# Altium PCB V1.PcbDoc (part 1 of 2) (continued)
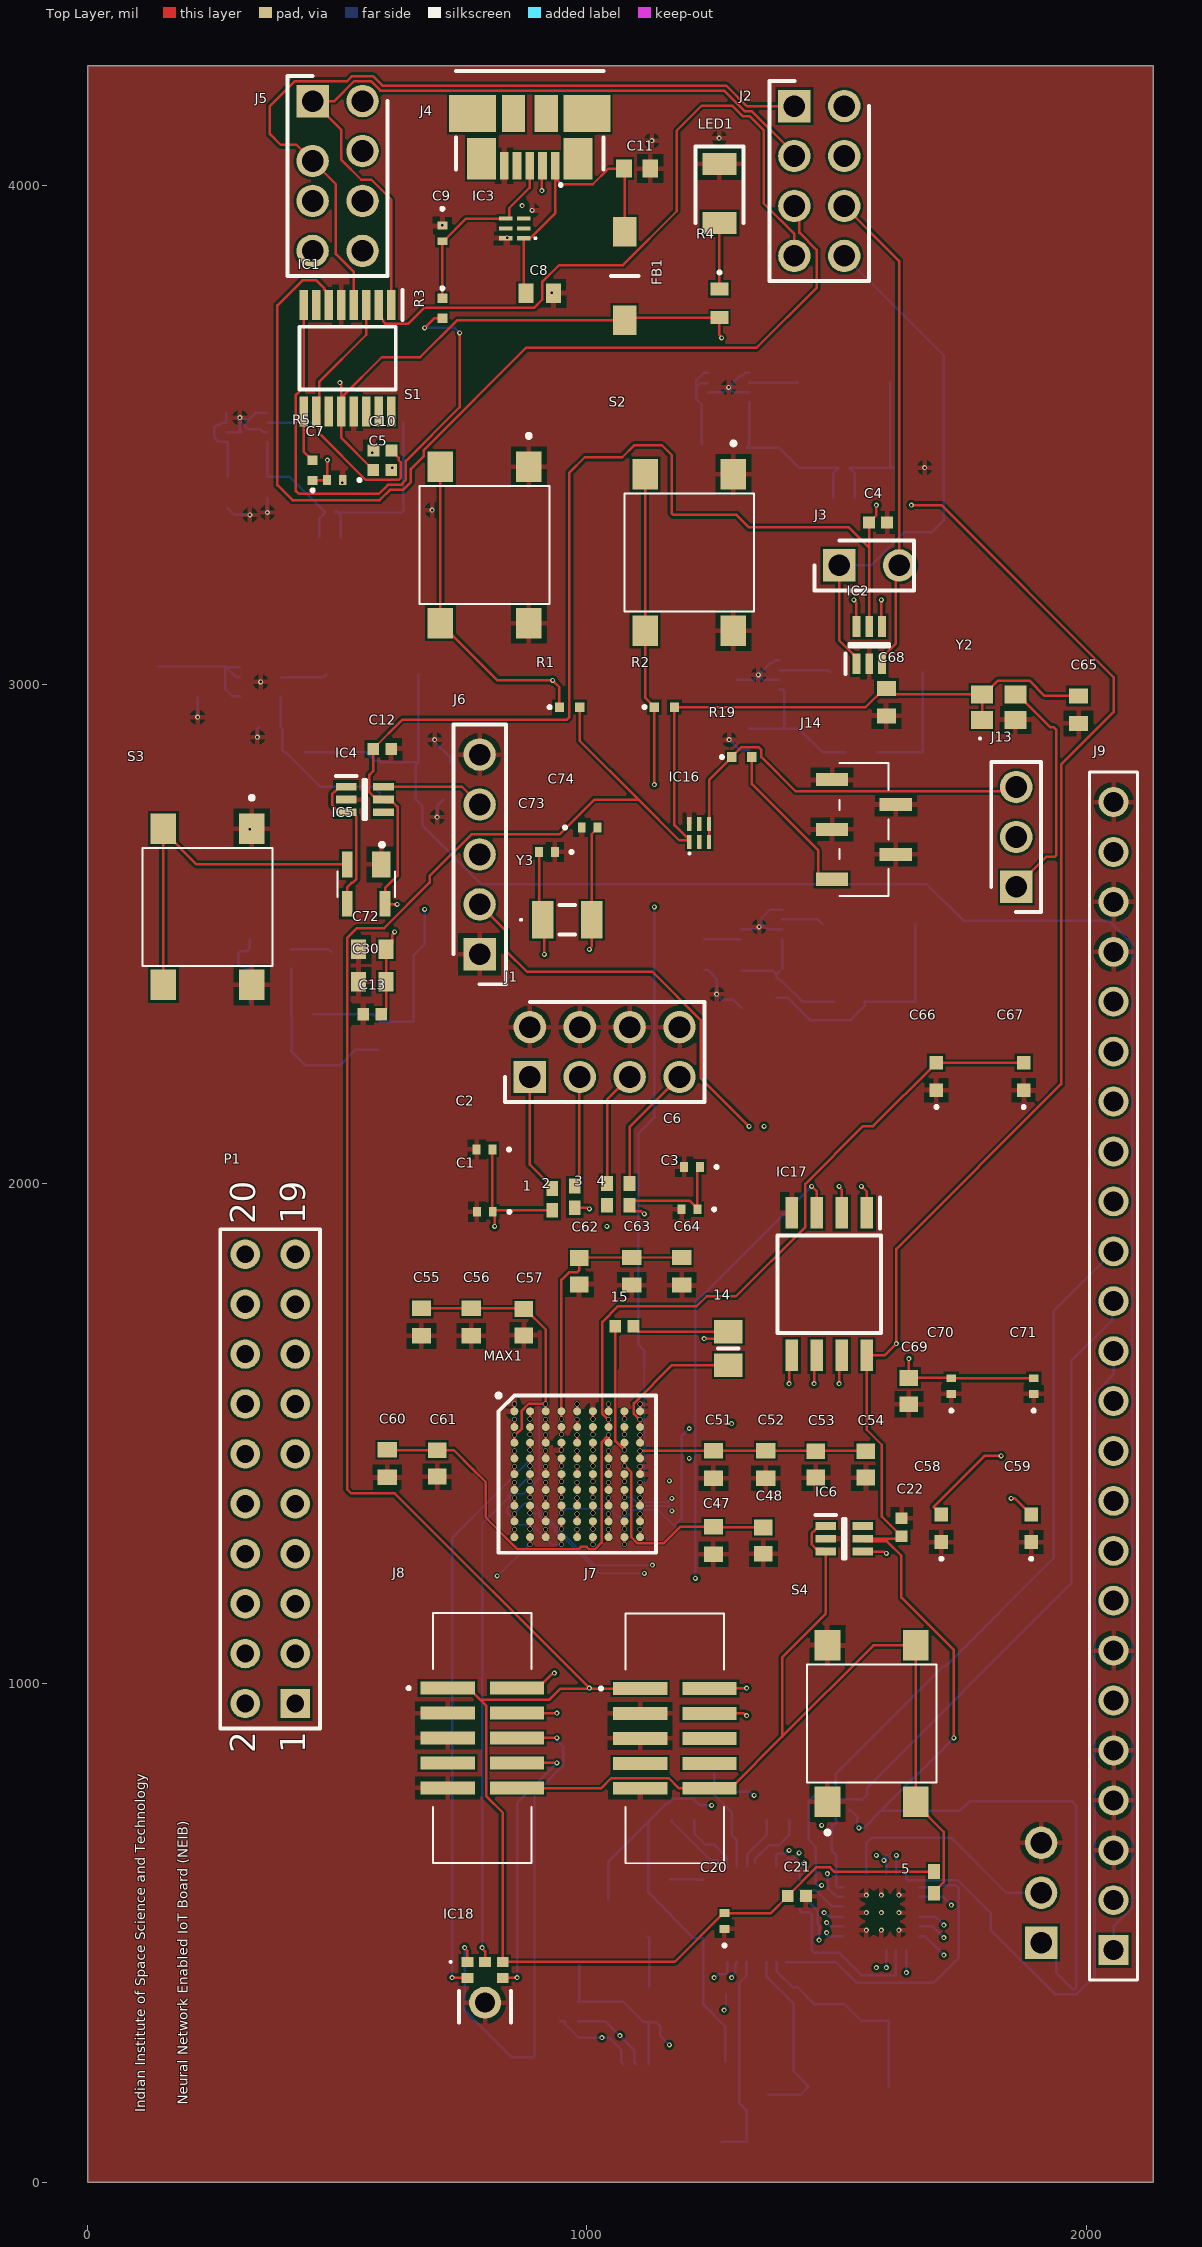
[diagram p0: Top Layer view]
## Part data (continued)
IC7 IC8 IC9 IC10 IC13 IC14: "Integrated Circuit", Manufacturer_Name="Texas Instruments", Mouser Part Number=595-TPS62060DSGR, Arrow Part Number=TPS62060DSGR, Arrow Price/Stock=https://www.arrow.com/en/products/tps62060dsgr/texas-instruments, Datasheet Link=http://www.ti.com/lit/gpn/TPS62060, Height=0.8mm, Manufacturer_Part_Number=TPS62060DSGR, Mouser Price/Stock=https://www.mouser.co.uk/ProductDetail/Texas-Instruments/TPS62060DSGR?qs=%2Fqzd9s%252BcLd7NphHetRHQZQ%3D%3D
IC11: "Integrated Circuit", Manufacturer_Name="Maxim Integrated", Mouser Part Number=700-MAX4948ETG, Datasheet Link=https://datasheets.maximintegrated.com/en/ds/MAX4947-MAX4948.pdf, Height=0.8mm, Manufacturer_Part_Number=MAX4948ETG+, Mouser Price/Stock=https://www.mouser.co.uk/ProductDetail/Maxim-Integrated/MAX4948ETG%2b/?qs=LHmEVA8xxfa3Nwt5cul%252BwA%3D%3D
IC12: "Integrated Circuit", Manufacturer_Name="FTDI Chip", Mouser Part Number=895-FT4222HQ-D-R, Arrow Part Number=FT4222HQ-D-R, Arrow Price/Stock=https://www.arrow.com/en/products/ft4222hq-d-r/ftdi-chip?region=nac, Datasheet Link=https://www.ftdichip.com/Support/Documents/DataSheets/ICs/DS_FT4222H.pdf, Height=0.9mm, Manufacturer_Part_Number=FT4222HQ-D-R, Mouser Price/Stock=https://www.mouser.co.uk/ProductDetail/FTDI/FT4222HQ-D-R?qs=F5EMLAvA7ICA8wBdrr3fuQ%3D%3D
IC15: "Integrated Circuit", Manufacturer_Name="Maxim Integrated", Mouser Part Number=700-MAX13202EALTT, Datasheet Link=https://pdfserv.maximintegrated.com/en/ds/MAX13202E-MAX13208E.pdf, Height=0.8mm, Manufacturer_Part_Number=MAX13202EALT+T, Mouser Price/Stock=https://www.mouser.co.uk/ProductDetail/Maxim-Integrated/MAX13202EALT%2bT?qs=8wHch9UpSvYWK1vZ7ylxSw%3D%3D
IC17: "Integrated Circuit", Manufacturer_Name="Integrated Silicon Solution Inc.", Mouser Part Number=870-IS25LP128-JBLE, Arrow Part Number=IS25LP128-JBLE, Arrow Price/Stock=https://www.arrow.com/en/products/is25lp128-jble/integrated-silicon-solution-inc, Datasheet Link=https://datasheet.datasheetarchive.com/originals/distributors/DKDS-13/254838.pdf, Height=2.16mm, Manufacturer_Part_Number=IS25LP128-JBLE, Mouser Price/Stock=https://www.mouser.co.uk/ProductDetail/ISSI/IS25LP128-JBLE?qs=rnuWwpjhhVunvfx8GxnhmA%3D%3D
IC18: "Integrated Circuit", Manufacturer_Name=Knowles, Mouser Part Number=721-SPH0645LM4H-1-8, Datasheet Link=https://www.knowles.com/docs/default-source/default-document-library/sph0645lm4h-1-datasheet.pdf?Status=Master&sfvrsn=751076b1_2, Height=1.08mm, Manufacturer_Part_Number=SPH0645LM4H-1-8, Mouser Price/Stock=https://www.mouser.co.uk/ProductDetail/Knowles/SPH0645LM4H-1-8?qs=TuK3vfAjtkXP9L009Fh60A%3D%3D
J1 J2 J3 J5 J6 J12 J13: "Connector", Manufacturer_Name=Sullins
  J1 J2 J5: Datasheet Link=https://drawings-pdf.s3.amazonaws.com/C10419.pdf, Height=8.38mm, Manufacturer_Part_Number=PEC04DAAN
  J3: Datasheet Link=https://s3.amazonaws.com/catalogspreads-pdf/PAGE112-113%20.100%20MALE%20HDR.pdf, Height=8.38mm, Manufacturer_Part_Number=PEC02SAAN
  J6: Datasheet Link=https://s3.amazonaws.com/catalogspreads-pdf/PAGE112-113%20.100%20MALE%20HDR.pdf, Height=8.58mm, Manufacturer_Part_Number=PEC05SAAN
  J12 J13: Datasheet Link=https://s3.amazonaws.com/catalogspreads-pdf/PAGE112-113%20.100%20MALE%20HDR.pdf, Height=8.38mm, Manufacturer_Part_Number=PEC03SAAN
J4 J11: "Connector", Manufacturer_Name=Molex, Mouser Part Number=538-47346-0001, Datasheet Link=http://www.molex.com/pdm_docs/sd/473460001_sd.pdf, Manufacturer_Part_Number=47346-0001, Mouser Price/Stock=https://www.mouser.co.uk/ProductDetail/Molex/47346-0001?qs=c2CV6XM0DweJBWaSeyWeCw%3D%3D
J7 J8: "Connector", Manufacturer_Name="CNC Tech", Arrow Part Number=3220-10-0300-00-TR, Arrow Price/Stock=https://www.arrow.com/en/products/3220-10-0300-00-tr/cnc-tech-llc?region=nac, Datasheet Link=http://www.cnctech.us/pdfs/3220-XX-0300-00-TR.pdf, Height=5.55mm, Manufacturer_Part_Number=3220-10-0300-00-TR
J9: "Connector", Manufacturer_Name=SAMTEC, Mouser Part Number=200-SSW12401TS, Datasheet Link=http://suddendocs.samtec.com/prints/ssw-1xx-xx-xxx-x-xx-xxx-xx-mkt.pdf, Manufacturer_Part_Number=SSW-124-01-T-S
J14: "Connector", Manufacturer_Name=Harwin, Mouser Part Number=855-M52-5050545, Datasheet Link=https://cdn.harwin.com/pdfs/M52-505.pdf, Height=5.7mm, Manufacturer_Part_Number=M52-5050545, Mouser Price/Stock=https://www.mouser.co.uk/ProductDetail/Harwin/M52-5050545?qs=%252Bk6%2F5FB6qrk5mVrIdNiYzQ%3D%3D
L1 L2 L3 L4 L5 L6: "Inductor", Manufacturer_Name=Vishay, Mouser Part Number=70-IHLP2020CZR1R0M8A, Datasheet Link=https://www.vishay.com/docs/34563/ihlp-2020cz-8a.pdf, Height=3mm, Manufacturer_Part_Number=IHLP2020CZER1R0M8A, Mouser Price/Stock=https://www.mouser.co.uk/ProductDetail/Vishay-Dale/IHLP2020CZER1R0M8A?qs=DRkmTr78QAQbvJic74K0Vg%3D%3D
LED1: "LED", Manufacturer_Name="Avago Technologies", Mouser Part Number=630-HSMR-C150, Datasheet Link=https://componentsearchengine.com/Datasheets/2/HSMR-C150.pdf, Height=1.2mm, Manufacturer_Part_Number=HSMR-C150, Mouser Price/Stock=https://www.mouser.co.uk/ProductDetail/Broadcom-Avago/HSMR-C150?qs=YDL0qNrpDT5KBl5KNuuRTw%3D%3D
MAX1: "Integrated Circuit", Manufacturer_Name="Maxim Integrated", Mouser Part Number=700-MAX78000EXG+, Datasheet Link=https://pdfserv.maximintegrated.com/en/ds/MAX78000.pdf, Height=1.3mm, Manufacturer_Part_Number=MAX78000EXG+, Mouser Price/Stock=https://www.mouser.co.uk/ProductDetail/Maxim-Integrated/MAX78000EXG%2b?qs=yqaQSyyJnNigS5t%2FKz0nhQ%3D%3D
P1: "Header, 10-Pin, Dual row", LatestRevisionDate=17-Jul-2002, LatestRevisionNote="Re-released for DXP Platform.", Publisher="Altium Limited"
R1 R2: "Resistor", Manufacturer_Name=Panasonic, Mouser Part Number=667-ERJ-2RKF4992X, Arrow Part Number=ERJ-2RKF4992X, Arrow Price/Stock=https://www.arrow.com/en/products/erj-2rkf4992x/panasonic, Datasheet Link=http://industrial.panasonic.com/cdbs/www-data/pdf/RDA0000/AOA0000C304.pdf, Height=0.4mm, Manufacturer_Part_Number=ERJ-2RKF4992X, Mouser Price/Stock=https://www.mouser.co.uk/ProductDetail/Panasonic/ERJ-2RKF4992X/?qs=1iN9QGIZ5R%252Bb2pvOGnid7w%3D%3D
R3 R5: "Resistor", Manufacturer_Name=Panasonic, Mouser Part Number=667-ERJ-2RKF27R0X, Arrow Part Number=ERJ-2RKF27R0X, Arrow Price/Stock=https://www.arrow.com/en/products/erj-2rkf27r0x/panasonic, Datasheet Link=http://industrial.panasonic.com/cdbs/www-data/pdf/RDA0000/AOA0000C304.pdf, Height=0.4mm, Manufacturer_Part_Number=ERJ-2RKF27R0X, Mouser Price/Stock=https://www.mouser.co.uk/ProductDetail/Panasonic/ERJ-2RKF27R0X?qs=YMBIwoNQYdXRmpDlurxRVg%3D%3D
R4: "Resistor", Manufacturer_Name=Panasonic, Datasheet Link=https://industrial.panasonic.com/cdbs/www-data/pdf/RDA0000/AOA0000C304.pdf, Height=0.55mm, Manufacturer_Part_Number=ERJ3EKF2701V
R6 R7: "Resistor", Manufacturer_Name="YAGEO (PHYCOMP)", Mouser Part Number=603-RT0805BRD07111KL, Arrow Part Number=RT0805BRD07111KL, Arrow Price/Stock=https://www.arrow.com/en/products/rt0805brd07111kl/yageo, Datasheet Link=https://componentsearchengine.com/Datasheets/1/RT0805BRD07111KL.pdf, Height=0.6mm, Manufacturer_Part_Number=RT0805BRD07111KL, Mouser Price/Stock=https://www.mouser.co.uk/ProductDetail/Yageo/RT0805BRD07111KL?qs=bQfrgN9vNvxW8OaJGLTFCQ%3D%3D
R8 R9: "Resistor", Manufacturer_Name=Vishay, Mouser Part Number=71-CRCW0402-499K-E3, Datasheet Link=http://www.vishay.com/docs/20035/dcrcwe3.pdf, Height=0.4mm, Manufacturer_Part_Number=CRCW0402499KFKED, Mouser Price/Stock=https://www.mouser.co.uk/ProductDetail/Vishay-Dale/CRCW0402499KFKED?qs=hAuyw6LW%252BLiJEa%252B3vtZI3Q%3D%3D
R10: "Resistor", Manufacturer_Name=Vishay, Mouser Part Number=71-CRCW0402-102K-E3, Arrow Part Number=CRCW0402102KFKED, Arrow Price/Stock=https://www.arrow.com/en/products/crcw0402102kfked/vishay, Datasheet Link=http://www.vishay.com/docs/20035/dcrcwe3.pdf, Height=0.4mm, Manufacturer_Part_Number=CRCW0402102KFKED, Mouser Price/Stock=https://www.mouser.co.uk/ProductDetail/Vishay-Dale/CRCW0402102KFKED?qs=rlE3Te1NifwphdA8fQQlsA%3D%3D
R11 R15 R16 R17: "Resistor", Manufacturer_Name=Vishay, Mouser Part Number=71-CRCW0402-100K-E3, Arrow Part Number=CRCW0402100KFKED, Arrow Price/Stock=https://www.arrow.com/en/products/crcw0402100kfked/vishay, Datasheet Link=http://www.vishay.com/docs/20035/dcrcwe3.pdf, Height=0.4mm, Manufacturer_Part_Number=CRCW0402100KFKED, Mouser Price/Stock=https://www.mouser.co.uk/ProductDetail/Vishay-Dale/CRCW0402100KFKED?qs=OlqPY1CiralZGKRwQ4Glcg%3D%3D
R12: "Resistor", Manufacturer_Name=Vishay, Mouser Part Number=71-CRCW0402-200K-E3, Arrow Part Number=CRCW0402200KFKED, Arrow Price/Stock=https://www.arrow.com/en/products/crcw0402200kfked/vishay, Datasheet Link=http://www.vishay.com/docs/20035/dcrcwe3.pdf, Height=0.4mm, Manufacturer_Part_Number=CRCW0402200KFKED, Mouser Price/Stock=https://www.mouser.com/Search/Refine.aspx?Keyword=71-CRCW0402-200K-E3
R13: "Resistor", Manufacturer_Name=Vishay, Mouser Part Number=71-CRCW0402-374K-E3, Arrow Part Number=CRCW0402374KFKED, Arrow Price/Stock=https://www.arrow.com/en/products/crcw0402374kfked/vishay, Datasheet Link=http://www.vishay.com/docs/20035/dcrcwe3.pdf, Height=0.4mm, Manufacturer_Part_Number=CRCW0402374KFKED, Mouser Price/Stock=https://www.mouser.co.uk/ProductDetail/Vishay-Dale/CRCW0402374KFKED?qs=1XGAtBqYNz57mwAP8KKAqw%3D%3D
R14: "Resistor", Manufacturer_Name="YAGEO (PHYCOMP)", Mouser Part Number=603-RC0603FR-07120KL, Arrow Part Number=RC0603FR-07120KL, Arrow Price/Stock=https://www.arrow.com/en/products/rc0603fr-07120kl/yageo?region=europe, Datasheet Link=https://datasheet.datasheetarchive.com/originals/distributors/Datasheets_SAMA/902f9e387b938f871d31120f5fc1d65e.pdf, Height=0.55mm, Manufacturer_Part_Number=RC0603FR-07120KL, Mouser Price/Stock=https://www.mouser.co.uk/ProductDetail/YAGEO/RC0603FR-07120KL?qs=IuGqVx9wL0JtpsOJLI%252BszA%3D%3D
R18: "Resistor", Manufacturer_Name=Panasonic, Mouser Part Number=667-ERJ-2RKF1004X, Arrow Part Number=ERJ-2RKF1004X, Arrow Price/Stock=https://www.arrow.com/en/products/erj-2rkf1004x/panasonic, Datasheet Link=http://industrial.panasonic.com/cdbs/www-data/pdf/RDA0000/AOA0000C304.pdf, Height=0.4mm, Manufacturer_Part_Number=ERJ-2RKF1004X, Mouser Price/Stock=https://www.mouser.co.uk/ProductDetail/Panasonic/ERJ-2RKF1004X?qs=H7k1u0Mp9JTG%252BclS6LVdqw%3D%3D
R19: "Resistor", Manufacturer_Name=Panasonic, Mouser Part Number=667-ERJ-2RKF33R2X, Datasheet Link=http://industrial.panasonic.com/cdbs/www-data/pdf/RDA0000/AOA0000C304.pdf, Height=0.4mm, Manufacturer_Part_Number=ERJ-2RKF33R2X, Mouser Price/Stock=https://www.mouser.com/Search/Refine.aspx?Keyword=667-ERJ-2RKF33R2X
S1 S2 S3 S4: "Switch", Manufacturer_Name="Omron Electronics", Mouser Part Number=653-B3S-1000P, Arrow Part Number=B3S-1000P, Arrow Price/Stock=https://www.arrow.com/en/products/b3s1000p/omron?region=nac, Datasheet Link=https://omronfs.omron.com/en_US/ecb/products/pdf/en-b3s.pdf, Height=4.7mm, Manufacturer_Part_Number=B3S-1000P, Mouser Price/Stock=https://www.mouser.co.uk/ProductDetail/Omron-Electronics/B3S-1000P?qs=VO24nqdQNUCU2XaZiLnzsQ%3D%3D
Y1: "Crystal or Oscillator", Manufacturer_Name=ABRACON, Mouser Part Number=815-ABM3-12-D2Y-T, Arrow Part Number=ABM3-12.000MHZ-D2Y-T, Arrow Price/Stock=https://www.arrow.com/en/products/abm3-12.000mhz-d2y-t/abracon, Datasheet Link=https://abracon.com/Resonators/abm3.pdf, Height=1mm, Manufacturer_Part_Number=ABM3-12.000MHZ-D2Y-T, Mouser Price/Stock=https://www.mouser.co.uk/ProductDetail/ABRACON/ABM3-12000MHZ-D2Y-T?qs=ihRgKfnEsN4a%252Bhdo6LkcSg%3D%3D
Y2: "Crystal or Oscillator", Arrow Part Number="SG-210STF 12.2880ML3", Manufacturer_Name="Epson Timing", Mouser Part Number=732-SG210STF12.288L3, Arrow Price/Stock=https://www.arrow.com/en/products/sg-210stf12.2880ml3/epson-electronics-america, Datasheet Link=https://support.epson.biz/td/api/doc_check.php?dl=brief_SG-210STF&lang=en, Height=0.9mm, Manufacturer_Part_Number="SG-210STF 12.2880ML3", Mouser Price/Stock=https://www.mouser.co.uk/ProductDetail/Epson-Timing/SG-210STF-122880ML3?qs=6J2kD0vu%2F2VMSmlKNtfCoQ%3D%3D
Y3: "Crystal or Oscillator", Manufacturer_Name=ABRACON, Mouser Part Number=815-ABS07-32.768K6T, Arrow Part Number=ABS07-32.768KHZ-6-T, Arrow Price/Stock=https://www.arrow.com/en/products/abs07-32.768khz-6-t/abracon?region=nac, Datasheet Link=https://abracon.com/Resonators/ABS07-LR.pdf, Height=0.9mm, Manufacturer_Part_Number=ABS07-32.768KHZ-6-T, Mouser Price/Stock=https://www.mouser.co.uk/ProductDetail/ABRACON/ABS07-32768KHZ-6-T?qs=Pyu0ZBy%2FIJYqrd93qMRCiw%3D%3D

## Via types
v1: diameter 10, hole 5, Top Layer to Bottom Layer, 122 vias
v2: diameter 10, hole 8, Top Layer to Bottom Layer, 81 vias

## Nets (pads, with @x,y where several pads share a name; then routed paths per layer and width w, separated by ;. In a path a pad name is that pad's centre, name@x,y a point inside that pad or via, vN(x,y) a via of type N, cw(c..) or ccw(c..) an arc to the next point about the centre after c; other vN are vias at no path point)
GND: 7.2 8.2 12.1 13.1 C1.2 C2.2 C3.2 C4.2 C5.2 C6.2 C7.1 C8.1 C9.1 C10.2 C11.1 C12.2 C13.2 C14.1 C15.1 C16.2 C17.2 C20.1 C21.2 C22.2 C23.1 C24.1 C25.2 C26.2 C27.1 C30.1 C31.1 C32.1 C33.2 C34.2 C35.1 C36.1 C37.2 C38.2 C41.1 C42.1 C43.1 C44.1 C45.2 C46.2 C47.1 C48.1 C49.2 C50.1 C51.1 C52.1 C53.1 C54.1 C55.1 C56.1 C57.1 C58.1 C59.1 C60.1 C61.1 C62.1 C63.1 C64.1 C65.1 C66.1 C67.1 C68.1 C69.1 C70.1 C71.1 C72.1 C73.1 C74.1 IC1.5 IC1.13 IC2.2 IC3.6 IC4.2 IC5.1 IC6.2 IC7.1 IC7.3 IC7.6 IC7.9 IC8.1 IC8.3 IC8.6 IC8.9 IC9.1 IC9.3 IC9.6 IC9.9 IC10.1 IC10.3 IC10.6 IC10.9 IC11.5 IC11.6 IC11.21 IC11.25 IC12.6 IC12.20 IC12.24 IC12.27 IC12.28 IC13.1 IC13.3 IC13.6 IC13.9 IC14.1 IC14.3 IC14.6 IC14.9 IC15.6 IC16.6 IC17.4 IC18.3 J1.2 J1.4 J1.6 J1.8 J4.5 J6.1 J6.5 J7.3 J7.5 J7.9 J8.3 J8.5 J8.9 J9.3 J9.4 J9.5 J9.7 J9.21 J9.22 J9.24 J11.5 J12.3 J14.2 J14.3 J14.4 J14.5 LED1.1 MAX1.A1 MAX1.A6 MAX1.A9 MAX1.B6 MAX1.C4 MAX1.C5 MAX1.E9 MAX1.J6 R6.2 R7.2 R10.2 R11.2 R14.2 R15.2 S1.1 S1.2 S2.1 S2.2 S3.1 S3.2 S4.1 S4.2 Y2.2 | length 1170.5
  Top Layer w5: MAX1.A1@854.53,1544.5 v2(854.53,1559.57) ; v2(949.02,1466.44) MAX1.C4@949.02,1481.51 ; MAX1.C5@980.51,1481.51 v2(980.51,1496.58) ; v2(1012.01,1277.46) MAX1.J6@1012.01,1292.54 ; v2(1012.01,1497.94) MAX1.B6@1012.01,1513.01 ; v2(1012.01,1529.43) MAX1.A6@1012.01,1544.5 ; MAX1.E9@1106.5,1418.52 v2(1106.5,1433.59) ; MAX1.A9@1106.5,1544.5 v2(1106.5,1559.57)
  Bottom Layer w5: v1(220,2935) C23.1@220,2973.5 ; IC13.6@277.32,3505.32 308.82,3505.32 305,3509.13 v1(305,3535) ; C35.1@280,3353.5 293.5,3340 v1(325,3340) ; v1(340,2895) 340,2911.65 R10.2@343.35,2915 ; v1(360,3345) R15.2@360,3373.35 ; IC13.3@360,3505.32 352.13,3505.32 345.85,3511.59 322.22,3511.59 305,3528.82 v1(305,3535) ; IC13.1@360,3544.69 335.85,3544.69 318.66,3527.5 311.16,3535 v1(305,3535) ; v1(695,2890) 695.96,2889.04 695.96,2884.4 726.5,2853.86 C26.2@726.5,2845 ; v1(700,2735) 700,2757.44 C27.1@712.56,2770 ; C15.1@1235,2428.5 1242.42,2428.5 1260,2410.93 v1(1260,2380) 1271.2,2368.8 1293.8,2368.8 R7.2@1310,2352.6 ; IC14.6@1242.32,3585.63 1273.82,3585.63 v1(1283.66,3595.47) ; v1(1285,2890) 1306.65,2868.35 R11.2@1325,2868.35 ; IC9.6@1302.32,3009.69 1333.82,3009.69 v1(1343.66,3019.53) ; IC8.6@1308.66,2510.16 1340.16,2510.16 IC8.9@1350,2520 ; IC14.3@1325,3585.63 1293.5,3585.63 v1(1283.66,3595.47) ; IC14.1@1325,3625 1317.13,3625 1310.85,3618.72 1306.91,3618.72 v1(1283.66,3595.47) ; IC9.3@1385,3009.69 1353.5,3009.69 v1(1343.66,3019.53) ; IC9.1@1385,3049.06 1377.13,3049.06 1370.85,3042.78 1366.91,3042.78 v1(1343.66,3019.53) ; IC8.3@1391.34,2510.16 1359.84,2510.16 IC8.9@1350,2520 ; IC8.1@1391.34,2549.53 1367.19,2549.53 1350,2532.34 IC8.9@1350,2520
  other v1: 1560,505 1590,505 1625,505 1560,540 1590,540 1625,540 1560,575 1590,575 1625,575 1345.08,2515.08 325,2710 346.34,3005.47 690,3350 510,3405 610,3435 1676.5,3435 570,3465 930,3785 840,3895 710,3920 890,3950 870,3960 1130,4090 1265,4095
Net1_1: 1.1 C1.1 C2.1 MAX1.D7 | length 836.2
  Top Layer w5: C2.1@810.51,2069.1 810.51,1944.85 C1.1@811.26,1944.1 ; v1(815,1915) 815,1940.36 C1.1@811.26,1944.1 ; 1.1@930.51,1947.45 814.61,1947.45 C1.1@811.26,1944.1 ; MAX1.D7@1043.5,1450.02 v2(1043.5,1465.09)
  Int1 (GND) w3: 1030.51,1632.02 1030.51,1497.56 1043.5,1484.56 v2(1043.5,1465.09)
  Int1 (GND) w5: v1(815,1915) 1030.51,1699.49 1030.51,1632.02
Net1_2: 1.2 J1.1 | length 242
  Top Layer w5: J1.1@885.51,2214.1 885.51,2038.71 930.51,1993.71 1.2@930.51,1990.76
Net2_1: 2.1 MAX1.E8 | length 1026.1
  Top Layer w5: 2.1@975.51,1952.45 1001.2,1952.45 1003.65,1950 v1(1005,1950) ; v2(1075,1403.45) MAX1.E8@1075,1418.52
  Int3 (Sign) w3: v2(1075,1403.45) 1082.15,1410.59 1159.41,1410.59 v1(1165,1405)
  Int1 (GND) w3: v1(1165,1405) 1165,1632.02
  Int1 (GND) w5: v1(1005,1950) 1005,2055 1015,2065 1090,2065 1165,1990 1165,1632.02
Net2_2: 2.2 J1.3 | length 222.5
  Top Layer w5: 2.2@975.51,1995.76 984.82,2005.07 984.82,2213.41 J1.3@985.51,2214.1
Net3_1: 3.1 MAX1.E7 | length 502.1
  Top Layer w5: MAX1.E7@1043.5,1418.52 v2(1043.5,1433.59)
  Int3 (Sign) w3: 1035,1632.02 1035,1461.57 1043.5,1453.07 v2(1043.5,1433.59)
  Int3 (Sign) w5: 1035,1632.02 1035,1908.65 1040,1913.65 v1(1040,1915)
Net3_2: 3.2 J1.5 | length 232
  Top Layer w5: 3.2@1040.51,2000.76 1040.51,2169.1 J1.5@1085.51,2214.1
Net4_1: 4.1 C3.1 C6.1 MAX1.F9 | length 827.9
  Top Layer w5: MAX1.F9@1106.5,1387.02 v2(1106.5,1402.09) ; v1(1115,1940) 1113.65,1940 1108.46,1945.18 1094.82,1945.18 1085.51,1954.5 4.1@1085.51,1957.45 1094.51,1966.44 1205.89,1966.44 C3.1@1221.26,1951.07 ; C3.1@1221.26,1949.1 C3.1@1221.26,1951.07 ; C6.1@1226.26,2034.1 1221.26,2029.1 C3.1@1221.26,1951.07
  Int1 (GND) w3: v2(1106.5,1402.09) 1106.5,1421.57 1115,1430.07 1115,1632.02
  Int1 (GND) w5: 1115,1632.02 v1(1115,1940)
Net4_2: 4.2 J1.7 | length 254.8
  Top Layer w5: 4.2@1085.51,2000.76 1085.51,2114.1 J1.7@1185.51,2214.1
Net5_1: 5.1 IC6.1 IC6.3 J7.10 J8.10 S4.3 S4.4 | length 1959.5
  Top Layer w5: J8.10@860,790 860.9,789.1 1027.95,789.1 1048.25,809.4 1164.17,809.4 1184.46,789.1 J7.10@1245.51,789.1 1287.24,789.1 1391.09,892.95 ; IC6.1@1478.11,1314.69 1465.31,1314.69 1455.1,1304.48 1454.33,1304.48 1449.94,1300.08 1449.94,1278.12 1459.18,1268.89 1472.74,1268.89 IC6.3@1478.11,1263.51 1478.11,1138.49 1391.09,1051.47 1391.09,892.95 ; 5.1@1695.51,579.1 1695.51,582.06 1714.82,601.37 1714.82,701.96 1659.09,757.68 S4.3@1659.09,762.61 S4.4@1659.09,1075.6 1573.74,1075.6 1391.09,892.95
Net5_2: 5.2 C20.2 C21.1 C25.1 C28.1 C65.2 C68.2 IC16.1 IC18.5 J7.1 J8.1 L3.2 R1.2 R2.2 R12.1 Y2.1 Y2.4 | length 6163.2
  Top Layer w5: J8.1@721.02,990 762.76,990 786.45,966.31 ; R1.2@985.35,2955 985.35,2887.72 1103.07,2770 ; v1(1005,990) 615,1380 527.93,1380 519.59,1388.34 519.59,2492.4 539.57,2512.38 593.93,2512.38 685,2603.45 685,2616.54 768.44,2699.98 944.98,2699.98 1015,2770 1103.07,2770 ; J7.1@1106.54,989.1 946.98,989.1 924.18,966.31 786.45,966.31 ; 5.2@1695.51,622.41 1495.27,622.41 1487.05,630.62 1459.28,630.62 1402.4,573.75 C21.1@1402.4,573.35 1402.4,572.96 1368.54,539.1 C20.2@1275.51,539.1 1273.54,539.1 1175.91,441.46 IC18.5@831.38,441.46 831.38,740.69 797.97,774.1 797.97,954.78 786.45,966.31 ; Y2.1@1791.54,2929.41 Y2.4@1791.54,2980.59 ; C65.2@1985,2977.56 1917.06,2977.56 1886.31,3008.31 1823.19,3008.31 1795.47,2980.59 Y2.4@1791.54,2980.59 ; 1103.07,2770 1184.65,2688.42 1204.65,2688.42 1205.32,2689.09 1205.32,2693.11 1204.65,2693.78 1200.5,2693.78 1175.35,2718.93 R2.2@1175.35,2955 1558.5,2955 1596.06,2992.56 C68.2@1600,2992.56 1603.94,2992.56 1615.91,2980.59 Y2.4@1791.54,2980.59
  Bottom Layer w5: C28.1@1582.28,2865 C25.1@1673.5,2865 1672.52,2865.98 L3.2@1672.52,3025
Net6_1: 6.1 IC12.32 | length 67.3
  Bottom Layer w5: 6.1@1166.65,607.01 1221.61,607.01 1222.72,605.91 IC12.32@1233.54,605.91
Net6_2: 6.2 9.1 10.1 11.1 C4.1 C12.1 C13.1 C16.1 C18.1 C22.1 C30.2 C31.2 C32.2 C33.1 C34.1 C49.1 C50.2 C72.2 IC2.5 IC4.5 IC5.4 IC6.5 IC11.22 IC12.7 IC12.25 IC12.26 IC17.8 J12.1 L1.2 R8.1 | length 9111.2
  Top Layer w5: C13.1@588.11,2340 588.11,2340.39 597.56,2349.84 C30.2@597.56,2405 C72.2@597.56,2470 610.41,2482.85 610.41,2499.06 615,2503.65 v1(615,2505) ; v1(620,2560) 596.85,2560 IC5.4@595.59,2561.26 595.59,2592.78 620.57,2617.76 620.57,2755.39 611.33,2764.63 597.78,2764.63 IC4.5@592.4,2770 587.03,2775.37 573.47,2775.37 564.23,2784.61 564.23,2819.29 571.89,2826.95 C12.1@571.89,2871.34 571.89,2871.73 630.16,2930 960,2930 965,2935 965,3425 995.73,3455.73 1070.73,3455.73 1095,3480 1150,3480 1170,3460 1170,3342.93 1172.93,3340 1300,3340 1325,3315 1525,3315 1565.26,3274.74 ; IC2.5@1565.51,3116.5 1565.26,3116.76 1565.26,3274.74 ; v1(1580,3360) 1580,3339.49 1565.26,3324.74 1565.26,3274.74 ; v1(1650,3360) 1710,3360 2055,3015 2055,2945 1950,2840 1950,2200 1620,1870 v1(1620,1680) 1596.39,1656.39 IC17.8@1560.51,1656.39 1560.51,1507.51 1590.66,1477.36 1590.66,1333.56 1630.12,1294.1 C22.1@1630.51,1294.1 1625.51,1289.1 IC6.5@1552.91,1289.1 1558.29,1283.73 1601.27,1283.73 1630,1255 1630,1171.4 1735,1066.4 v1(1735,890)
  Int2 (Sign) w5: v1(615,2505) 630,2505 v1(675,2550) 665,2560 v1(620,2560) ; v1(1250,755) 1315,755 v1(1335,775) 1405,705 v1(1405,665) 1430,690 1445,690 v1(1470,715) 1538.65,715 1543.65,710 v1(1545,710) ; v1(1580,3360) v1(1650,3360)
  Int3 (Sign) w5: v1(1715,515) 1750,480 J12.1@1910,480
  Bottom Layer w5: R8.1@451.65,2340 571.1,2340 C18.1@580,2331.1 586.1,2325 C16.1@653.5,2325 653.5,2458.5 L1.2@670,2475 675,2480 v1(675,2550) ; C33.1@1042.56,567.01 1043,567.45 C31.2@1043,637.01 1043,642.51 1159.39,758.9 1163.19,758.9 1170,765.71 10.1@1170,768.66 9.1@1215,768.66 1215,765.71 1224.31,756.4 1227.26,756.4 1228.66,755 v1(1250,755) ; 1123.35,719.42 6.2@1123.35,607.01 1123.35,580.2 1214.84,488.7 1232.64,488.7 IC12.26@1233.54,487.8 IC12.25@1233.54,468.11 1233.54,355.96 1277,312.51 C32.2@1277,307.01 1277,242.45 C34.1@1277.44,242.01 ; 11.1@1290,782.18 1326.46,782.18 1333.65,775 v1(1335,775) ; IC12.7@1379.21,633.46 1379.21,654.77 1382.14,657.7 1396.34,657.7 1403.65,665 v1(1405,665) ; C49.1@1525,744.45 1528.94,744.45 1541.79,731.59 1541.79,714.56 1545,711.35 v1(1545,710) 1555,710 1589.45,744.45 ; IC11.22@1666.77,532.17 1697.83,532.17 v1(1715,515) ; v1(1735,890) 1589.45,744.45 ; J12.1@1910,480 1939.98,450.02 1939.98,420.02 1972.93,387.07 1977.07,387.07 1980,390 1980,755 1972.07,762.93 1766.17,762.93 1747.69,744.45 1589.45,744.45
Net7_1: 7.1 8.1 IC12.21 | length 421.8
  Bottom Layer w5: 7.1@1270,79.72 1271.23,80.95 1318.77,80.95 8.1@1320,82.19 1320,143.73 1305.08,158.65 1305.08,399.3 1319.25,413.47 1319.25,439.65 IC12.21@1320.16,440.55
Net9_2: 9.2 IC12.2 | length 129.5
  Bottom Layer w5: 9.2@1215,725.35 1215,698.61 1237.14,676.48 1254.87,676.48 1279.88,651.46 1279.88,634.37 IC12.2@1280.79,633.46
Net10_2: 10.2 IC12.1 | length 137.2
  Bottom Layer w5: 10.2@1170,725.35 1170,722.4 1247.2,645.2 1260.2,645.2 1261.1,644.29 IC12.1@1261.1,633.46
Net11_2: 11.2 C44.2 IC12.3 | length 204.6
  Bottom Layer w5: C44.2@1255,818.9 1255,776.34 1289.51,741.83 11.2@1290,741.83 1290,696.12 1300.47,685.65 IC12.3@1300.47,633.46
Net12_2: 12.2 IC12.4 | length 108.4
  Bottom Layer w5: IC12.4@1320.16,633.46 1321.06,634.37 1321.06,656.65 1360,695.59 12.2@1360,725.35
Net13_2: 13.2 IC12.5 | length 125.7
  Bottom Layer w5: IC12.5@1336.06,640 1336.06,646.78 1364.25,674.96 1384.37,674.96 1405,695.59 13.2@1405,725.35
Net14_1: 14.1 MAX1.B9 | length 274.7
  Top Layer w5: MAX1.B9@1106.5,1513.01 v2(1106.5,1528.08) 1105.14,1528.08 1093.93,1539.3 1093.93,1560.44 1170.55,1637.06 14.1@1283.5,1637.06
Net14_2: 14.2 15.1 MAX1.A8 | length 501.9
  Top Layer w5: v2(1075,1529.43) MAX1.A8@1075,1544.5 ; 15.1@1093.11,1715 1093.11,1714.61 1103.72,1703.99 14.2@1283.5,1703.99 1269.51,1690 v1(1235,1690)
  Int2 (Sign) w3: v2(1075,1529.43) 1092.89,1529.43 1187.01,1623.55
  Int2 (Sign) w5: 1187.01,1623.55 1235,1671.54 v1(1235,1690)
Net15_2: 15.2 MAX1.C8 | length 271.1
  Top Layer w5: 15.2@1056.89,1715 1056.89,1632.02 1056.89,1484.55 v2(1075,1466.44) MAX1.C8@1075,1481.51
NetC5_1: C5.1 C14.2 C15.2 C23.2 C24.2 C35.2 C36.2 FB1.2 IC1.12 IC7.5 IC7.7 IC7.8 IC8.5 IC8.7 IC8.8 IC9.5 IC9.7 IC9.8 IC10.5 IC10.7 IC10.8 IC13.5 IC13.7 IC13.8 IC14.5 IC14.7 IC14.8 R4.2 | length 1973.8
  Top Layer w5: v1(505,3605) 505,3603.65 507.99,3600.65 IC1.12@507.99,3547.33 ; C5.1@571.89,3430 571.89,3430.39 507.99,3494.29 IC1.12@507.99,3547.33 ; v1(1270,3695) 1270,3696.35 1265.51,3700.84 R4.2@1265.51,3735.56 1080.55,3735.56 FB1.2@1075.51,3730.52 740.44,3730.52 665.94,3656.02 588.97,3656.02 511.56,3578.6 511.56,3550.89 IC1.12@507.99,3547.33
  Bottom Layer w5: C24.2@140,3036.5 C23.2@220,3036.5 275.94,3036.5 ; IC13.8@277.32,3544.69 IC13.7@277.32,3525 269.45,3525 265.67,3521.22 259.4,3521.22 253.54,3515.36 253.54,3495.27 262.28,3486.54 276.42,3486.54 IC13.5@277.32,3485.63 279.09,3485.63 280,3484.72 C35.2@280,3416.5 ; IC10.5@305,2975.94 304.09,2976.85 289.95,2976.85 275.94,2990.86 275.94,3036.5 ; IC10.7@305,3015.31 297.13,3015.31 277.44,3035 ; IC10.8@305,3035 277.44,3035 ; C14.2@325,2361.5 IC7.5@325,2430.94 317.13,2430.94 313.35,2434.72 307.08,2434.72 301.22,2440.58 301.22,2460.68 307.08,2466.54 319.14,2466.54 325,2472.39 IC7.8@325,2490 ; C36.2@1230,3481.5 1230,3561.5 1218.54,3572.95 1218.54,3595.68 ; C15.2@1235,2491.5 1236.02,2490.47 IC8.5@1308.66,2490.47 ; IC14.7@1242.32,3605.31 1241.42,3604.41 1227.28,3604.41 1218.54,3595.68 ; IC14.8@1242.32,3625 1234.45,3625 1218.54,3609.09 1218.54,3595.68 ; 275.94,3036.5 277.44,3035
NetC7_2: C7.2 J4.2 R5.1 | length 837.7
  Top Layer w5: R5.1@450.51,3409.1 450.96,3409.55 478.8,3409.55 480,3410.75 v1(480,3450) ; v1(910,3990) 910,4038.63 J4.2@911.1,4039.73
  Int2 (Sign) w5: v1(480,3450) 480,3560 v1(910,3990)
NetC8_2: C8.2 C11.2 FB1.1 IC3.1 J4.1 | length 598.4
  Top Layer w5: C8.2@877.95,3784.1 873.62,3788.43 IC3.1@873.62,3894.42 874.29,3895.09 886.86,3895.09 936.69,3944.92 J4.1@936.69,4039.73 940.55,4035.87 940.55,4010.9 948.89,4002.57 1011.71,4002.57 1043.24,4034.1 C11.2@1074.13,4034.1 1075.51,4032.72 FB1.1@1075.51,3907.68
NetC9_2: C9.2 IC3.3 IC3.4 J4.3 R3.1 | length 389.3
  Top Layer w5: R3.1@710.51,3774.28 C9.2@710.51,3888.35 712.48,3888.35 757.91,3933.79 IC3.4@837.4,3933.79 843.62,3933.79 844.29,3934.46 844.29,3954.46 885.51,3995.68 J4.3@885.51,4039.73
NetC10_1: C10.1 IC1.3 IC1.10 | length 567.5
  Top Layer w5: IC1.3@557.99,3760.87 557.99,3701.07 464.06,3607.13 464.06,3553.39 IC1.10@457.99,3547.33 464.06,3541.27 464.06,3503.21 556.97,3410.3 623.03,3410.3 627.42,3414.69 627.42,3445.31 623.03,3449.7 623.03,3454.3 608.62,3468.71 C10.1@608.62,3469.1
NetC17_1: C17.1 C19.1 L2.2 R9.1 | length 473.3
  Bottom Layer w5: R9.1@1380,2373.35 1402.09,2373.35 1447.8,2327.64 1527.2,2327.64 1556.1,2356.54 C19.1@1556.1,2365 C17.1@1658.5,2365 1657.52,2365.98 L2.2@1657.52,2520
NetC18_2: C18.2 IC7.4 R6.1 R8.2 | length 362.7
  Bottom Layer w5: IC7.4@407.68,2430.94 408.01,2430.61 408.01,2340.33 R8.2@408.35,2340 408.35,2275.75 R6.1@407.6,2275 407.6,2266.14 436.3,2237.44 505.24,2237.44 536.7,2268.9 C18.2@580,2268.9
NetC19_2: C19.2 IC8.4 R7.1 R9.2 | length 288.8
  Bottom Layer w5: R7.1@1310,2427.4 1372.2,2427.4 R9.2@1380,2419.61 ; IC8.4@1391.34,2490.47 1391.34,2430.94 R9.2@1380,2419.61 ; C19.2@1493.9,2365 1431.65,2365 1389.76,2406.89 1386.81,2406.89 1380,2413.7 R9.2@1380,2416.65 R9.2@1380,2419.61